# Altium PCB Evaluation Board.PcbDoc (part 4 of 22) (continued)
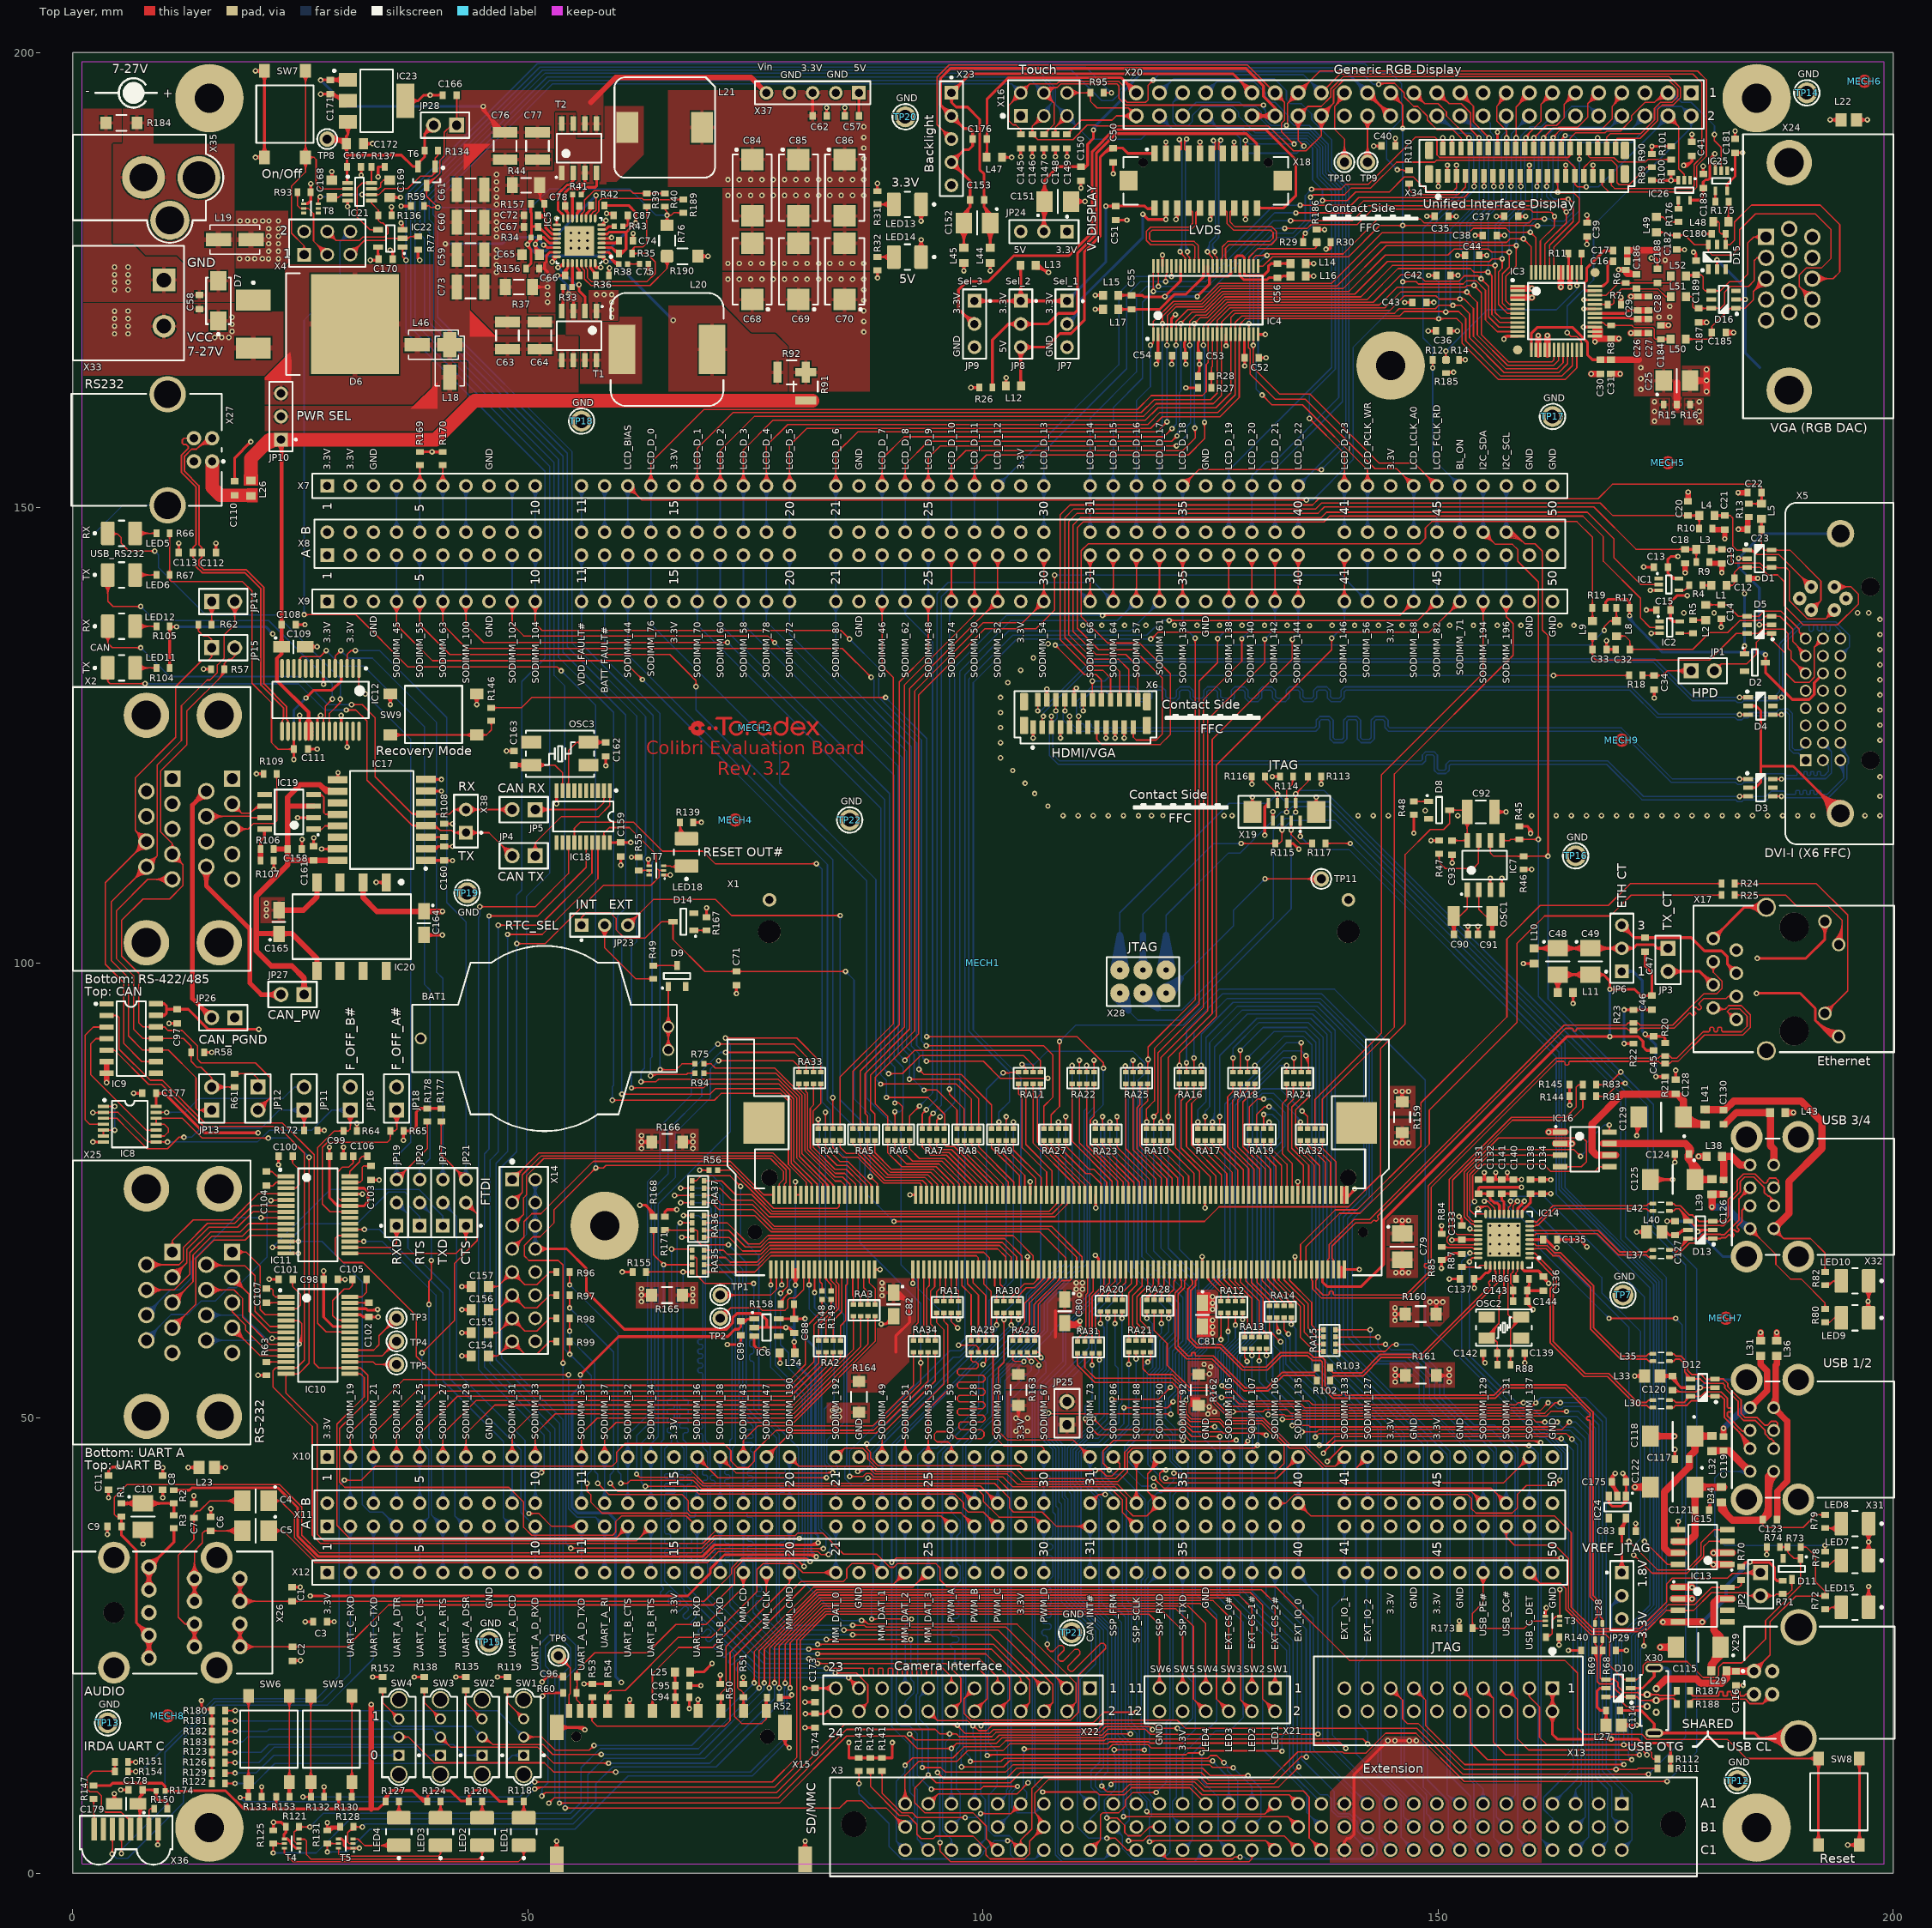
[diagram p0: Top Layer view]
## Nets (pads, with @x,y where several pads share a name; then routed paths per layer and width w, separated by ;. In a path a pad name is that pad's centre, name@x,y a point inside that pad or via, vN(x,y) a via of type N, cw(c..) or ccw(c..) an arc to the next point about the centre after c; other vN are vias at no path point) (continued)
  Bottom Layer w0.15: v1@94.837,11.208 ccw(c94.453,11.592) 94.996,11.592 ccw(c95.539,11.592) v1@95.155,11.208 ; v1(94.996,11.049) 94.996,46.075 100.029,51.108 100.029,54.629 105.35,59.95 105.35,63.3 109.08,67.03 v1(109.08,83.109) ; v1@108.921,82.95 cw(c108.537,82.566) 109.08,82.566 cw(c109.623,82.566) v1@109.239,82.95 ; v1@129.108,10.494 cw(c129.108,9.951) 129.492,10.335 cw(c129.876,10.719) v1@129.333,10.719 ; v1(129.108,10.719) 130.515,9.312 130.515,6.055 ; X3.B17@129.54,5.08 130.515,6.055 ; X3.B17@129.587,5.452 ccw(c129.661,6.042) 130.082,5.622 ccw(c130.502,5.201) X3.B17@129.912,5.127 ; X3.B17@129.606,5.601 ccw(c129.709,6.427) 130.298,5.838 ccw(c130.887,5.249) X3.B17@130.061,5.146 ; X3.B17@129.624,5.75 ccw(c129.758,6.812) 130.515,6.055 ; X3.B17@130.21,5.164 cw(c131.272,5.298) 130.515,6.055
ADDR_10: RA22.5 X3.C17 | length 134
  Top Layer w0.15: v2@95.116,3.194 cw(c94.732,2.81) 95.275,2.81 cw(c95.819,2.81) v2@95.434,3.194 ; v2(95.275,3.353) 95.275,2.406 96.416,1.265 100.589,1.265 100.601,1.253 129.218,1.253 129.54,1.575 ; RA22.5@109.655,88.114 ccw(c109.356,88.413) 109.779,88.413 ccw(c110.201,88.413) RA22.5@109.903,88.114 ; RA22.5@109.779,87.99 v1(109.779,88.722) ; X3.C17@129.308,1.906 cw(c129.187,1.575) 129.54,1.575 ; X3.C17@129.36,2.047 cw(c129.266,1.789) 129.54,1.789 cw(c129.814,1.789) X3.C17@129.72,2.047 ; X3.C17@129.54,2.54 129.54,1.575 ; X3.C17@129.772,1.906 ccw(c129.893,1.575) 129.54,1.575
  Bottom Layer w0.15: v2@95.116,3.512 ccw(c94.806,3.823) 95.245,3.823 ; 95.245,3.969 ccw(c95.892,3.969) v2@95.434,3.512 ; v2(95.275,3.353) 95.245,3.383 95.245,10.556 95.529,10.84 95.529,45.8 95.545,45.816 95.545,46.124 96.116,46.695 96.595,46.695 100.476,50.576 100.476,54.431 105.8,59.755 105.8,63.1 109.779,67.079 v1(109.779,88.722) ; v1@109.62,88.563 cw(c109.236,88.179) 109.779,88.179 cw(c110.322,88.179) v1@109.938,88.563
ADDR_11: RA22.6 X3.A18 | length 129.4
  Top Layer w0.15: v1(97.625,11.675) 102.25,11.675 102.9,12.325 v1(125.225,12.325) ; v1@97.784,11.516 cw(c98.168,11.132) 98.168,11.675 cw(c98.168,12.218) v1@97.784,11.834 ; v1@110.42,89.147 cw(c110.036,88.763) 110.579,88.763 cw(c111.122,88.763) v1@110.738,89.147 ; RA22.6@110.455,88.114 ccw(c110.156,88.413) 110.579,88.413 ccw(c111.001,88.413) RA22.6@110.703,88.114 ; RA22.6@110.579,87.99 v1(110.579,89.306) ; v1@125.066,12.166 ccw(c124.682,11.782) 124.682,12.325 ccw(c124.682,12.868) v1@125.066,12.484
  Bottom Layer w0.15: v1@97.466,11.834 ccw(c97.174,12.126) 97.587,12.126 ; 97.587,12.31 ccw(c98.26,12.31) v1@97.784,11.834 ; v1(97.625,11.675) 97.587,11.713 97.587,13.183 97.79,13.386 97.79,17.247 97.785,17.252 97.785,18.308 97.79,18.313 97.79,19.787 97.785,19.792 97.785,20.848 97.79,20.853 97.79,32.482 97.785,32.487 97.785,47.075 100.954,50.244 100.954,54.304 106.25,59.6 106.25,62.85 110.579,67.179 v1(110.579,89.306) ; v1@110.42,89.147 cw(c110.036,88.763) 110.579,88.763 cw(c111.122,88.763) v1@110.738,89.147 ; v1@125.225,12.1 cw(c125.225,11.677) 125.524,11.976 ; v1(125.225,12.325) 125.225,12.275 127,10.5 X3.A18@127,7.62 ; v1@125.45,12.325 ccw(c126.114,12.325) 125.644,11.856 ; X3.A18@126.523,8.097 ccw(c125.37,9.25) 127,9.25 ccw(c128.63,9.25) X3.A18@127.477,8.097 ; X3.A18@126.629,7.991 ccw(c125.733,8.887) 127,8.887 ccw(c128.267,8.887) X3.A18@127.371,7.991 ; X3.A18@126.735,7.885 ccw(c126.095,8.525) 127,8.525 ccw(c127.905,8.525) X3.A18@127.265,7.885
ADDR_12: RA22.7 X3.B18 | length 128.7
  Top Layer w0.15: v1(98.6,12.275) 101.975,12.275 102.325,12.625 124.683,12.625 124.983,12.925 125.683,12.925 v1(126.467,12.141) ; v1@98.759,12.116 cw(c99.143,11.732) 99.143,12.275 cw(c99.143,12.818) v1@98.759,12.434 ; RA22.7@111.255,88.114 ccw(c110.956,88.413) 111.379,88.413 ccw(c111.801,88.413) RA22.7@111.503,88.114 ; RA22.7@111.379,87.99 v1(111.379,88.722) ; v1@126.242,12.141 ccw(c125.698,12.141) 126.082,12.525 ccw(c126.467,12.909) v1@126.467,12.366
  Bottom Layer w0.15: v1@98.464,12.454 ccw(c98.256,12.728) 98.6,12.728 ; v1(98.6,12.275) 98.6,12.728 ; v1@98.736,12.454 cw(c98.944,12.728) 98.6,12.728 ; v1@111.22,88.563 cw(c110.836,88.179) 111.379,88.179 cw(c111.922,88.179) v1@111.538,88.563 ; v1(111.379,88.722) 111.379,84.027 111.125,83.774 111.125,67.15 106.733,62.758 106.733,59.65 105.033,57.95 101.437,54.356 101.437,50.202 98.085,46.85 98.085,32.611 98.09,32.606 98.09,20.729 98.085,20.724 98.085,19.916 98.09,19.911 98.09,18.189 98.085,18.184 98.085,17.376 98.158,17.303 98.158,13.17 98.6,12.728 ; v1(126.467,12.141) 126.848,11.76 ; v1@126.468,11.916 cw(c126.471,11.384) 126.848,11.76 ; v1@126.692,12.14 ccw(c127.224,12.137) 126.848,11.76 ; X3.B18@127,5.08 127.975,6.055 ; X3.B18@127.047,5.452 ccw(c127.121,6.042) 127.542,5.622 ccw(c127.962,5.201) X3.B18@127.372,5.127 ; X3.B18@127.066,5.601 ccw(c127.169,6.427) 127.758,5.838 ccw(c128.347,5.249) X3.B18@127.521,5.146 ; X3.B18@127.084,5.75 ccw(c127.218,6.812) 127.975,6.055 ; X3.B18@127.67,5.164 cw(c128.732,5.298) 127.975,6.055 ; 126.848,11.76 126.848,11.278 127.975,10.15 127.975,6.055
ADDR_13: RA22.8 X3.C18 | length 131.5
  Top Layer w0.15: v1@100.45,13.013 122.301,13.013 122.496,13.208 v1(124.028,13.208) ; v1@100.503,12.872 cw(c100.844,12.531) 100.844,13.013 ; v1@100.609,12.766 cw(c101.206,12.169) 101.206,13.013 ; v1@100.609,13.084 ccw(c100.78,13.255) 100.78,13.013 ; v1@112.02,89.147 cw(c111.636,88.763) 112.179,88.763 cw(c112.722,88.763) v1@112.338,89.147 ; RA22.8@112.055,88.114 ccw(c111.756,88.413) 112.179,88.413 ccw(c112.601,88.413) RA22.8@112.303,88.114 ; RA22.8@112.179,87.99 v1(112.179,89.306) ; v1@123.869,13.049 ccw(c123.485,12.665) 123.485,13.208 ccw(c123.485,13.751) v1@123.869,13.367
  Bottom Layer w0.15: 100.254,13.218 ccw(c100.743,13.218) v1@100.397,12.872 ; 100.254,13.58 ccw(c101.105,13.58) v1@100.503,12.978 ; 100.254,13.942 ccw(c101.467,13.942) v1@100.609,13.084 ; v1(100.45,12.925) 100.254,13.121 100.254,15.945 100.296,15.988 100.296,16.423 100.254,16.465 100.254,46.779 101.908,48.433 101.908,54.4 107.058,59.55 107.058,62.608 111.425,66.975 111.425,83.375 112.179,84.129 v1(112.179,89.306) ; v1@112.02,89.147 cw(c111.636,88.763) 112.179,88.763 cw(c112.722,88.763) v1@112.338,89.147 ; v1@123.869,13.049 cw(c123.485,12.665) 124.028,12.665 cw(c124.571,12.665) v1@124.187,13.049 ; v1(124.028,13.208) 124.028,10.16 125.832,8.357 125.832,3.683 ; 125.866,3.649 cw(c124.757,2.54) X3.C18@126.325,2.54 ; 126.082,3.433 ccw(c126.97,4.321) X3.C18@126.991,3.065 ; 126.122,3.393 cw(c125.269,2.54) X3.C18@126.475,2.54 ; 126.332,3.183 ccw(c126.979,3.829) X3.C18@126.994,2.915 ; 126.378,3.137 cw(c125.781,2.54) X3.C18@126.625,2.54 ; X3.C18@126.989,3.215 cw(c126.962,4.813) 125.832,3.683 ; X3.C18@127,2.54 126.975,2.54 125.832,3.683
ADDR_14: RA23.5 X3.A19 | length 100.2
  Top Layer w0.15: v2(106.553,8.915) 112.485,8.915 112.776,8.624 115.549,8.624 116.315,9.39 122.69,9.39 X3.A19@124.46,7.62 ; v2@106.712,8.756 cw(c107.096,8.372) 107.096,8.915 cw(c107.096,9.459) v2@106.712,9.074 ; RA23.5@112.195,81.916 ccw(c111.896,82.215) 112.319,82.215 ccw(c112.741,82.215) RA23.5@112.443,81.916 ; RA23.5@112.319,81.793 v1(112.319,82.525)
  Bottom Layer w0.15: v2@106.328,8.915 ccw(c105.785,8.915) 106.169,9.299 ccw(c106.553,9.684) v2@106.553,9.14 ; v2(106.553,8.915) 105.705,9.763 105.705,53.155 108.775,56.225 108.775,60.025 112.925,64.175 112.925,81.918 v1(112.319,82.525) ; v1@112.319,82.3 cw(c112.319,81.756) 112.703,82.14 cw(c113.087,82.525) v1@112.544,82.525
ADDR_15: RA23.6 X3.C19 | length 112.1
  Top Layer w0.15: v1@112.96,82.95 cw(c112.576,82.566) 113.119,82.566 cw(c113.662,82.566) v1@113.278,82.95 ; RA23.6@112.995,81.916 ccw(c112.696,82.215) 113.119,82.215 ccw(c113.541,82.215) RA23.6@113.243,81.916 ; RA23.6@113.119,81.793 v1(113.119,83.109)
  Bottom Layer w0.15: v1@112.963,82.946 cw(c112.613,82.581) 113.119,82.581 ; v1@113.025,83.015 v1(113.119,83.109) 113.119,82.581 ; v1@113.275,82.946 ccw(c113.625,82.581) 113.119,82.581 ; 123.29,1.344 ccw(c122.094,2.54) X3.C19@123.785,2.54 ; 123.351,1.406 cw(c124.46,0.297) X3.C19@124.46,1.865 ; 123.546,1.6 ccw(c122.606,2.54) X3.C19@123.935,2.54 ; 123.607,1.662 cw(c124.46,0.809) X3.C19@124.46,2.015 ; 123.802,1.856 ccw(c123.118,2.54) X3.C19@124.085,2.54 ; 123.863,1.918 cw(c124.46,1.321) X3.C19@124.46,2.165 ; X3.C19@124.46,2.54 124.46,2.515 123.21,1.265 108.692,1.265 107.945,2.012 107.945,32.482 107.955,32.492 107.955,39.38 107.655,39.68 107.655,46.528 106.075,48.108 106.075,52.9 109.075,55.9 109.075,59.875 113.35,64.15 113.35,82.35 113.119,82.581
ADDR_16: RA24.8 X3.A20 | length 98.5
  Top Layer w0.15: v1@135.316,89.641 cw(c134.268,88.593) 135.75,88.593 ; v1@135.422,89.747 cw(c134.63,88.955) 135.75,88.955 ; v1(135.475,89.8) 135.51,89.8 135.75,89.56 ; v1@135.528,89.853 cw(c134.992,89.317) 135.75,89.317 ; v1@135.566,89.594 cw(c135.633,89.444) 135.75,89.56 ; RA24.8@135.626,88.114 ccw(c135.328,88.413) 135.75,88.413 ccw(c136.172,88.413) RA24.8@135.874,88.114 ; v1@135.695,89.751 ccw(c135.896,89.706) 135.75,89.56 ; RA24.8@135.75,87.99 135.75,89.56
  Bottom Layer w0.15: X3.A20@121.92,7.62 121.92,13.02 125.675,16.775 125.675,28.367 123.3,30.742 123.3,51.47 123.304,51.474 123.304,52.158 123.3,52.162 123.3,56.649 124.275,57.624 124.275,63.753 127.125,66.603 127.125,84.45 133.023,90.348 134.963,90.348 135.475,89.835 v1(135.475,89.8) ; 135.066,90.245 cw(c134.621,89.8) v1@135.25,89.8 ; 135.151,90.159 ccw(c135.475,90.483) v1@135.475,90.025
ADDR_17: RA24.7 X3.B20 | length 104.8
  Top Layer w0.15: v1@134.791,91.078 cw(c134.407,90.694) 134.95,90.694 cw(c135.493,90.694) v1@135.109,91.078 ; RA24.7@134.826,88.114 ccw(c134.528,88.413) 134.95,88.413 ccw(c135.372,88.413) RA24.7@135.074,88.114 ; RA24.7@134.95,87.99 v1(134.95,91.237)
  Bottom Layer w0.15: X3.B20@121.245,5.105 ccw(c119.808,5.158) 120.825,6.175 ; X3.B20@121.395,5.099 ccw(c120.277,5.14) 121.068,5.932 ccw(c121.86,6.723) X3.B20@121.901,5.605 ; X3.B20@121.545,5.094 ccw(c120.747,5.123) 121.312,5.688 ccw(c121.877,6.253) X3.B20@121.906,5.455 ; X3.B20@121.895,5.755 cw(c121.842,7.192) 120.825,6.175 ; X3.B20@121.92,5.08 120.825,6.175 ; v1@134.791,91.078 ccw(c134.407,90.694) 134.407,91.237 ccw(c134.407,91.78) v1@134.791,91.396 ; v1(134.95,91.237) 133.32,91.237 127.41,85.326 126.575,84.491 126.575,66.477 123.975,63.877 123.975,57.749 123,56.774 123,52.037 123.004,52.033 123.004,51.599 123,51.595 123,22.161 123.312,21.849 123.312,15.792 121.245,13.725 121.245,8.324 120.945,8.024 120.825,7.904 120.825,6.175
ADDR_18: RA24.6 X3.C20 | length 107.1
  Top Layer w0.15: v1@133.991,89.401 cw(c133.607,89.017) 134.15,89.017 cw(c134.693,89.017) v1@134.309,89.401 ; RA24.6@134.026,88.114 ccw(c133.728,88.413) 134.15,88.413 ccw(c134.572,88.413) RA24.6@134.274,88.114 ; RA24.6@134.15,87.99 v1(134.15,89.56)
  Bottom Layer w0.15: X3.C20@121.92,2.54 122.987,3.607 ; X3.C20@121.941,2.914 ccw(c121.983,3.662) 122.513,3.133 ccw(c123.042,2.603) X3.C20@122.294,2.561 ; X3.C20@121.949,3.064 ccw(c122.008,4.111) 122.75,3.37 ccw(c123.491,2.628) X3.C20@122.444,2.569 ; X3.C20@121.958,3.214 ccw(c122.033,4.56) 122.987,3.607 ; X3.C20@122.594,2.578 cw(c123.94,2.653) 122.987,3.607 ; v1@133.991,89.401 ccw(c133.607,89.017) 133.607,89.56 ccw(c133.607,90.104) v1@133.991,89.719 ; v1(134.15,89.56) 132.917,89.56 127.696,84.34 127.696,66.75 124.575,63.629 124.575,57.5 123.6,56.525 123.6,52.286 123.604,52.282 123.604,51.35 123.6,51.346 123.6,48.383 125.725,46.258 125.725,30.426 128.565,27.587 128.565,17.376 128.575,17.366 128.575,17.1 127.126,15.651 125.551,15.651 122.987,13.087 122.987,3.607
ADDR_25: RA25.7 X3.B23 | length 106.7
  Top Layer w0.15: RA25.7@117.148,88.114 ccw(c116.849,88.413) 117.272,88.413 ccw(c117.694,88.413) RA25.7@117.395,88.114 ; RA25.7@117.272,87.99 v1(117.272,88.722)
  Bottom Layer w0.15: X3.B23@114.3,5.08 115.316,4.064 ; X3.B23@114.335,4.707 cw(c114.396,4.047) 114.864,4.516 cw(c115.333,4.984) X3.B23@114.673,5.045 ; X3.B23@114.349,4.557 cw(c114.435,3.634) 115.09,4.29 cw(c115.746,4.945) X3.B23@114.823,5.031 ; X3.B23@114.363,4.408 cw(c114.473,3.221) 115.316,4.064 ; X3.B23@114.972,5.017 ccw(c116.159,4.907) 115.316,4.064 ; v1@117.047,88.722 cw(c116.503,88.722) 116.887,88.338 cw(c117.272,87.954) v1@117.272,88.497 ; v1@117.229,88.722 v1(117.272,88.722) 116.575,88.026 116.575,66.516 121.229,61.861 121.229,59.029 120.125,57.925 120.125,55.373 119.625,54.873 119.625,49.525 120.816,48.334 120.816,45.446 120.858,45.403 121.78,44.481 121.78,42.405 120.848,41.473 120.848,16.917 120.525,16.594 120.525,2.306 119.784,1.565 116.436,1.565 115.316,2.685 115.316,4.064
ANALOG_IN0: X1.8 X14.1 | length 41.6
  Top Layer w0.15: X14.1@48.26,76.2 51.16,79.1 76.947,79.1 78.782,77.265 X1.8@78.782,74.516 ; X14.1@48.26,76.575 ccw(c48.26,77.48) 48.9,76.84 ccw(c49.54,76.2) X14.1@48.635,76.2 ; X14.1@48.26,76.725 ccw(c48.26,77.992) 49.156,77.096 ccw(c50.052,76.2) X14.1@48.785,76.2 ; X14.1@48.26,76.875 ccw(c48.26,78.505) 49.412,77.352 ccw(c50.565,76.2) X14.1@48.935,76.2 ; X1.8@78.711,75.412 ccw(c78.541,75.583) 78.782,75.583 ccw(c79.023,75.583) X1.8@78.853,75.412
ANALOG_IN1: X1.6 X14.3 | length 42.9
  Top Layer w0.15: X14.3@48.26,73.66 49.378,74.778 ; X14.3@48.268,74.035 ccw(c48.287,74.875) 48.881,74.281 ccw(c49.475,73.687) X14.3@48.635,73.668 ; X14.3@48.271,74.185 ccw(c48.297,75.361) 49.129,74.529 ccw(c49.961,73.697) X14.3@48.785,73.671 ; X14.3@48.275,74.335 ccw(c48.308,75.847) 49.378,74.778 ; X14.3@48.935,73.675 cw(c50.447,73.708) 49.378,74.778 ; X1.6@78.111,75.412 ccw(c77.941,75.583) 78.182,75.583 ccw(c78.423,75.583) X1.6@78.253,75.412 ; X1.6@78.182,74.516 78.182,75.723 78.354,75.895 78.354,77.269 76.823,78.8 51.475,78.8 49.378,76.703 49.378,74.778
ANALOG_IN2: X1.4 X14.5 | length 44.9
  Top Layer w0.15: X14.5@48.26,71.12 49.525,72.385 49.525,74.188 49.825,74.488 49.825,76.604 51.721,78.5 76.658,78.5 78.054,77.104 78.054,76.175 77.582,75.702 X1.4@77.582,74.516 ; X14.5@48.26,71.495 ccw(c48.26,72.4) 48.9,71.76 ccw(c49.54,71.12) X14.5@48.635,71.12 ; X14.5@48.26,71.645 ccw(c48.26,72.912) 49.156,72.016 ccw(c50.052,71.12) X14.5@48.785,71.12 ; X14.5@48.26,71.795 ccw(c48.26,73.425) 49.412,72.272 ccw(c50.565,71.12) X14.5@48.935,71.12 ; X1.4@77.511,75.412 ccw(c77.341,75.583) 77.582,75.583 ccw(c77.823,75.583) X1.4@77.653,75.412
ANALOG_IN3: R95.1 X1.2 X14.7 | length 257.9
  Top Layer w0.15: X14.7@48.26,68.58 49.55,69.87 49.55,71.575 50.425,72.45 51.425,72.45 57.175,78.2 72.23,78.2 75.913,74.516 X1.2@76.982,74.516 ; X14.7@48.26,68.955 ccw(c48.26,69.86) 48.9,69.22 ccw(c49.54,68.58) X14.7@48.635,68.58 ; X14.7@48.26,69.105 ccw(c48.26,70.372) 49.156,69.476 ccw(c50.052,68.58) X14.7@48.785,68.58 ; X14.7@48.26,69.255 ccw(c48.26,70.885) 49.412,69.732 ccw(c50.565,68.58) X14.7@48.935,68.58 ; X1.2@76.911,74.446 ccw(c76.741,74.275) 76.741,74.516 ccw(c76.741,74.758) X1.2@76.911,74.587 ; R95.1@113.247,195.58 v1(114.097,195.58) ; R95.1@113.424,195.403 cw(c113.851,194.976) 113.851,195.58 cw(c113.851,196.184) R95.1@113.424,195.757
  Bottom Layer w0.15: X14.7@48.26,68.58 49.825,70.145 49.825,107.285 52.4,109.86 52.4,154.525 37.125,169.8 37.125,184.225 51.3,198.4 111.277,198.4 v1(114.097,195.58) ; X14.7@48.26,68.955 ccw(c48.26,69.86) 48.9,69.22 ccw(c49.54,68.58) X14.7@48.635,68.58 ; X14.7@48.26,69.105 ccw(c48.26,70.372) 49.156,69.476 ccw(c50.052,68.58) X14.7@48.785,68.58 ; X14.7@48.26,69.255 ccw(c48.26,70.885) 49.412,69.732 ccw(c50.565,68.58) X14.7@48.935,68.58 ; v1@113.872,195.58 ccw(c113.329,195.58) 113.713,195.964 ccw(c114.097,196.348) v1@114.097,195.805
ANALOG_OUT_A: C154.2 R99.2 X14.15 | length 24.7
  Top Layer w0.15: C154.2@45.664,56.82 46.66,56.82 ; C154.2@45.863,56.63 cw(c46.308,56.203) 46.308,56.82 cw(c46.308,57.437) C154.2@45.863,57.01 ; C154.2@45.971,56.526 cw(c46.66,55.866) 46.66,56.82 ; C154.2@45.971,57.114 ccw(c46.66,57.773) 46.66,56.82 ; X14.15@47.585,58.42 cw(c45.955,58.42) 47.108,57.268 cw(c48.26,56.115) 48.26,57.745 cw(c48.26,56.115) 49.412,57.268 cw(c50.565,58.42) X14.15@48.935,58.42 ; X14.15@47.735,58.42 cw(c46.468,58.42) 47.364,57.524 cw(c48.26,56.628) 48.26,57.895 cw(c48.26,56.628) 49.156,57.524 cw(c50.052,58.42) X14.15@48.785,58.42 ; X14.15@47.885,58.42 cw(c46.98,58.42) 47.62,57.78 cw(c48.26,57.14) 48.26,58.045 cw(c48.26,57.14) 48.9,57.78 cw(c49.54,58.42) X14.15@48.635,58.42 ; R99.2@52.946,58.243 ccw(c52.519,57.816) 52.519,58.42 ccw(c52.519,59.024) R99.2@52.946,58.597 ; R99.2@53.123,58.42 52.375,58.42 50.978,57.023 49.657,57.023 X14.15@48.26,58.42 46.66,56.82
ANALOG_OUT_B: C155.2 R98.2 X14.13 | length 24.7
  Top Layer w0.15: C155.2@45.664,59.36 46.66,59.36 ; C155.2@45.863,59.17 cw(c46.308,58.743) 46.308,59.36 cw(c46.308,59.977) C155.2@45.863,59.55 ; C155.2@45.971,59.066 cw(c46.66,58.406) 46.66,59.36 ; C155.2@45.971,59.654 ccw(c46.66,60.313) 46.66,59.36 ; X14.13@47.585,60.96 cw(c45.955,60.96) 47.108,59.808 cw(c48.26,58.655) 48.26,60.285 cw(c48.26,58.655) 49.412,59.808 cw(c50.565,60.96) X14.13@48.935,60.96 ; X14.13@47.735,60.96 cw(c46.468,60.96) 47.364,60.064 cw(c48.26,59.168) 48.26,60.435 cw(c48.26,59.168) 49.156,60.064 cw(c50.052,60.96) X14.13@48.785,60.96 ; X14.13@47.885,60.96 cw(c46.98,60.96) 47.62,60.32 cw(c48.26,59.68) 48.26,60.585 cw(c48.26,59.68) 48.9,60.32 cw(c49.54,60.96) X14.13@48.635,60.96 ; R98.2@52.946,60.783 ccw(c52.519,60.356) 52.519,60.96 ccw(c52.519,61.564) R98.2@52.946,61.137 ; R98.2@53.123,60.96 52.375,60.96 50.978,59.563 49.657,59.563 X14.13@48.26,60.96 46.66,59.36
ANALOG_OUT_C: C156.2 R97.2 X14.11 | length 24.7
  Top Layer w0.15: C156.2@45.664,61.9 46.66,61.9 ; C156.2@45.863,61.71 cw(c46.308,61.283) 46.308,61.9 cw(c46.308,62.517) C156.2@45.863,62.09 ; C156.2@45.971,61.606 cw(c46.66,60.946) 46.66,61.9 ; C156.2@45.971,62.194 ccw(c46.66,62.853) 46.66,61.9 ; X14.11@47.585,63.5 cw(c45.955,63.5) 47.108,62.348 cw(c48.26,61.195) 48.26,62.825 cw(c48.26,61.195) 49.412,62.348 cw(c50.565,63.5) X14.11@48.935,63.5 ; X14.11@47.735,63.5 cw(c46.468,63.5) 47.364,62.604 cw(c48.26,61.708) 48.26,62.975 cw(c48.26,61.708) 49.156,62.604 cw(c50.052,63.5) X14.11@48.785,63.5 ; X14.11@47.885,63.5 cw(c46.98,63.5) 47.62,62.86 cw(c48.26,62.22) 48.26,63.125 cw(c48.26,62.22) 48.9,62.86 cw(c49.54,63.5) X14.11@48.635,63.5 ; R97.2@52.946,63.323 ccw(c52.519,62.896) 52.519,63.5 ccw(c52.519,64.104) R97.2@52.946,63.677 ; R97.2@53.123,63.5 52.375,63.5 50.978,62.103 49.657,62.103 X14.11@48.26,63.5 46.66,61.9
ANALOG_OUT_D: C157.2 R96.2 X14.9 | length 24.7
  Top Layer w0.15: C157.2@45.664,64.44 46.66,64.44 ; C157.2@45.863,64.25 cw(c46.308,63.823) 46.308,64.44 cw(c46.308,65.057) C157.2@45.863,64.63 ; C157.2@45.971,64.146 cw(c46.66,63.486) 46.66,64.44 ; C157.2@45.971,64.734 ccw(c46.66,65.393) 46.66,64.44 ; X14.9@47.585,66.04 cw(c45.955,66.04) 47.108,64.888 cw(c48.26,63.735) 48.26,65.365 cw(c48.26,63.735) 49.412,64.888 cw(c50.565,66.04) X14.9@48.935,66.04 ; X14.9@47.735,66.04 cw(c46.468,66.04) 47.364,65.144 cw(c48.26,64.248) 48.26,65.515 cw(c48.26,64.248) 49.156,65.144 cw(c50.052,66.04) X14.9@48.785,66.04 ; X14.9@47.885,66.04 cw(c46.98,66.04) 47.62,65.4 cw(c48.26,64.76) 48.26,65.665 cw(c48.26,64.76) 48.9,65.4 cw(c49.54,66.04) X14.9@48.635,66.04 ; R96.2@52.946,65.863 ccw(c52.519,65.436) 52.519,66.04 ccw(c52.519,66.644) R96.2@52.946,66.217 ; R96.2@53.123,66.04 52.375,66.04 50.978,64.643 49.657,64.643 X14.9@48.26,66.04 46.66,64.44
AUDIO_AGND: C1.1 C2.1 C3.2 C6.1 C7.1 C8.2 C9.1 C10.2 C11.1 C88.1 IC6.2 L24.1 X1.9 X1.11 X14.2 X14.4 X14.6 X14.8 X26.1 | length 186.9
  Top Layer w0.3: C9.1@3.643,37.884 cw(c3.301,37.542) 3.784,37.542 cw(c4.267,37.542) C9.1@3.925,37.884 ; C11.1@3.769,41.978 cw(c3.427,41.636) 3.91,41.636 cw(c4.393,41.636) C11.1@4.051,41.978 ; v1(3.784,37.224) C9.1@3.784,38.1 ; v1@3.804,41.349 ccw(c3.548,41.605) 3.91,41.605 ccw(c4.272,41.605) v1@4.016,41.349 ; v1(3.91,41.243) C11.1@3.91,42.119 ; C10.2@7.227,37.14 cw(c6.427,36.151) v1(7.699,36.151) ; C10.2@7.416,37.373 cw(c6.936,36.78) 7.699,36.78 cw(c8.462,36.78) C10.2@7.982,37.373 ; v1@7.593,36.257 ccw(c7.337,36.513) 7.699,36.513 ccw(c8.061,36.513) v1@7.805,36.257 ; C10.2@7.699,37.723 v1(7.699,36.151) ; C10.2@8.171,37.14 ccw(c8.971,36.151) v1(7.699,36.151) ; C8.2@9.727,41.978 cw(c9.385,41.637) 9.868,41.637 cw(c10.351,41.637) C8.2@10.009,41.978 ; v1@9.762,41.35 ccw(c9.506,41.606) 9.868,41.606 ccw(c10.23,41.606) v1@9.974,41.35 ; v1(9.868,41.244) C8.2@9.868,42.12 ; C7.1@13.15,40.722 ccw(c12.808,41.064) 13.291,41.064 ccw(c13.774,41.064) C7.1@13.432,40.722 ; v1@13.185,41.351 cw(c12.929,41.095) 13.291,41.095 cw(c13.653,41.095) v1@13.397,41.351 ; C7.1@13.291,40.581 v1(13.291,41.457) ; C6.1@15.009,39.297 ccw(c14.667,39.639) 15.15,39.639 ccw(c15.633,39.639) C6.1@15.291,39.297 ; v1@15.044,39.926 cw(c14.788,39.67) 15.15,39.67 cw(c15.512,39.67) v1@15.256,39.926 ; C6.1@15.15,39.156 v1(15.15,40.032) ; C1.1@24.1,31.425 v1(24.976,31.425) ; C2.1@24.13,23.355 v1(25.006,23.355) ; C1.1@24.316,31.283 cw(c24.658,30.942) 24.658,31.425 cw(c24.658,31.908) C1.1@24.316,31.566 ; C2.1@24.346,23.183 cw(c24.761,22.769) v1@24.761,23.355 ; C2.1@24.346,23.466 ccw(c24.615,23.734) 24.615,23.355 ; v1(25.517,27.619) C3.2@26.393,27.619 ; v1@25.623,27.513 cw(c25.879,27.257) 25.879,27.619 cw(c25.879,27.982) v1@25.623,27.725 ; v1(26.075,30.45) 67.535,30.45 70.028,32.943 70.028,33.413 71.59,34.975 81.45,34.975 ; v1@26.181,30.344 cw(c26.437,30.088) 26.437,30.45 cw(c26.437,30.812) v1@26.181,30.556 ; C3.2@26.251,27.478 ccw(c25.91,27.137) 25.91,27.619 ccw(c25.91,28.102) C3.2@26.251,27.761 ; X14.8@50.8,68.58 54.245,68.58 56.4,66.425 56.4,63.926 60.576,59.75 71.8,59.75 72.475,60.425 72.475,61 72.969,61.494 75.524,61.494 76.225,60.793 76.225,59.944 ; X14.8@51.224,68.156 cw(c52.249,67.131) 52.249,68.58 cw(c52.249,70.029) X14.8@51.224,69.004 ; IC6.2@74.8,59.994 IC6.2@74.85,59.944 76.225,59.944 ; IC6.2@75.206,59.838 cw(c75.462,59.582) 75.462,59.944 cw(c75.462,60.306) IC6.2@75.206,60.05 ; v1@78.228,59.838 ccw(c77.971,59.582) 77.971,59.944 ccw(c77.971,60.306) v1@78.228,60.05 ; v1@78.45,59.85 cw(c78.648,59.69) 78.648,59.944 ; v1@78.45,60.038 ccw(c78.648,60.198) 78.648,59.944 ; 78.779,59.813 cw(c78.309,59.344) C88.1@78.973,59.344 ; C88.1@78.96,59.632 ccw(c79.173,59.846) C88.1@79.173,59.544 ; X1.9@79.064,65.474 cw(c78.314,64.724) v1@79.375,64.724 ; X1.9@79.082,66.316 X1.11@79.682,66.316 ; L24.1@79.124,57.417 ccw(c78.826,57.715) 79.248,57.715 ; v1@79.142,58.263 cw(c78.886,58.007) 79.248,58.007 cw(c79.61,58.007) v1@79.354,58.263 ; L24.1@79.248,57.188 v1(79.248,58.369) ; v1@79.248,58.091 ccw(c80.202,58.091) L24.1@79.528,57.417 ; C88.1@79.248,59.344 78.648,59.944 ; v1@79.269,64.698 ccw(c79.013,64.954) 79.375,64.954 ccw(c79.737,64.954) v1@79.481,64.698 ; v1(79.375,64.592) 79.375,66.316 ; v1@79.375,64.69 cw(c80.483,64.69) X1.11@79.7,65.474 ; 80.77,34.975 cw(c80.77,33.845) v1@81.569,34.644 ; v1@81.526,34.764 ccw(c81.264,34.789) 81.45,34.975 ; v1@81.661,34.899 cw(c81.636,35.161) 81.45,34.975 ; v1(81.675,34.75) 81.45,34.975 ; 76.225,59.944 v1(78.334,59.944) 78.648,59.944
  Bottom Layer w0.3: X14.8@50.376,69.004 ccw(c49.351,70.029) 50.8,70.029 ccw(c52.249,70.029) X14.8@51.224,69.004 ; X14.6@50.376,70.696 cw(c49.351,69.671) 50.8,69.671 cw(c52.249,69.671) X14.6@51.224,70.696 ; X14.6@50.376,71.544 ccw(c49.351,72.569) 50.8,72.569 ccw(c52.249,72.569) X14.6@51.224,71.544 ; X14.4@50.376,73.236 cw(c49.351,72.211) 50.8,72.211 cw(c52.249,72.211) X14.4@51.224,73.236 ; X14.4@50.376,74.084 ccw(c49.351,75.109) 50.8,75.109 ccw(c52.249,75.109) X14.4@51.224,74.084 ; X14.2@50.376,75.776 cw(c49.351,74.751) 50.8,74.751 cw(c52.249,74.751) X14.2@51.224,75.776 ; X14.8@50.8,68.58 X14.6@50.8,71.12 X14.4@50.8,73.66 X14.2@50.8,76.2 ; v1(78.334,59.944) 79.248,59.944 ; v1@78.44,59.838 cw(c78.696,59.582) 78.696,59.944 cw(c78.696,60.306) v1@78.44,60.05 ; v1@79.142,58.263 cw(c78.886,58.007) 79.248,58.007 cw(c79.61,58.007) v1@79.354,58.263 ; v1@79.142,58.475 ccw(c78.886,58.731) 79.248,58.731 ccw(c79.61,58.731) v1@79.354,58.475 ; v1@79.269,64.486 cw(c79.013,64.23) 79.375,64.23 cw(c79.737,64.23) v1@79.481,64.486 ; v1(79.375,64.592) 79.375,63.475 79.248,63.348 79.248,59.944 ; v1@81.525,34.75 ccw(c81.163,34.75) 81.419,35.006 ccw(c81.675,35.262) v1@81.675,34.9 ; v1(81.675,34.75) 81.12,35.305 81.12,43.055 81.12,54.262 79.248,56.134 v1(79.248,58.369) 79.248,59.944
AUDIO_AVCC: C88.2 IC6.5 R2.2 R158.1 | length 113.9
  Top Layer w0.3: R2.2@11.093,42.073 12.798,42.073 13.051,42.326 22.537,42.326 24.7,40.163 24.7,37.045 26.945,34.8 69.2,34.8 70.45,36.05 81.625,36.05 ; R2.2@11.317,41.949 cw(c11.616,41.65) 11.616,42.073 cw(c11.616,42.495) R2.2@11.317,42.197 ; IC6.5@77.55,60.894 C88.2@79.248,60.894 ; IC6.5@77.906,60.788 cw(c78.162,60.532) 78.162,60.894 cw(c78.162,61.256) IC6.5@77.906,61 ; C88.2@79.032,60.753 ccw(c78.69,60.411) 78.69,60.894 ccw(c78.69,61.377) C88.2@79.032,61.035 ; R158.1@79.087,62.26 cw(c78.789,61.962) 79.211,61.962 cw(c79.634,61.962) R158.1@79.335,62.26 ; C88.2@79.107,61.035 ccw(c78.854,61.288) 79.211,61.288 ; 79.211,61.466 ccw(c79.82,61.466) C88.2@79.389,61.035 ; R158.1@79.211,62.484 79.211,60.931 C88.2@79.248,60.894 ; C88.2@79.464,60.753 cw(c79.806,60.411) 79.806,60.894 cw(c79.806,61.377) C88.2@79.464,61.035 ; 80.043,60.894 ccw(c80.043,61.308) v1@80.336,61.015 ; 80.116,60.894 cw(c80.116,60.584) v1@80.336,60.803 ; v1(80.442,60.909) 80.427,60.894 C88.2@79.248,60.894 ; 80.909,36.05 ccw(c80.909,37.266) v1@81.769,36.406 ; 81.634,36.05 ccw(c81.634,36.541) v1@81.981,36.194 ; v1@81.725,36.297 cw(c81.383,36.292) 81.625,36.05 ; v1@81.872,36.15 ccw(c81.867,35.808) 81.625,36.05 ; v1(81.875,36.3) 81.625,36.05
  Bottom Layer w0.3: v1@80.336,60.803 cw(c80.08,60.547) 80.442,60.547 cw(c80.804,60.547) v1@80.548,60.803 ; v1(80.442,60.909) 80.442,58.826 81.57,57.698 81.57,37.355 81.875,37.05 v1(81.875,36.3) ; v1@81.769,36.406 ccw(c81.513,36.662) 81.875,36.662 ccw(c82.237,36.662) v1@81.981,36.406
BATT_FAULT#: R75.2 X8.A12 X9.12 | length 83.5
  Top Layer w0.15: v1(64.516,88.274) 66.299,88.274 66.925,88.9 R75.2@68.354,88.9 ; v1@64.675,88.115 cw(c65.059,87.731) 65.059,88.274 cw(c65.059,88.817) v1@64.675,88.433 ; R75.2@68.206,88.752 ccw(c67.847,88.393) 67.847,88.9 ccw(c67.847,89.407) R75.2@68.206,89.048
  Bottom Layer w0.15: X9.12@57.943,139.223 cw(c56.79,138.07) 58.42,138.07 cw(c60.05,138.07) X9.12@58.897,139.223 ; X9.12@57.943,140.177 ccw(c56.79,141.33) 58.42,141.33 ccw(c60.05,141.33) X9.12@58.897,140.177 ; X8.A12@57.943,144.303 cw(c56.79,143.15) 58.42,143.15 cw(c60.05,143.15) X8.A12@58.897,144.303 ; X9.12@58.049,139.329 cw(c57.153,138.433) 58.42,138.433 cw(c59.687,138.433) X9.12@58.791,139.329 ; X9.12@58.049,140.071 ccw(c57.153,140.967) 58.42,140.967 ccw(c59.687,140.967) X9.12@58.791,140.071 ; X8.A12@58.049,144.409 cw(c57.153,143.513) 58.42,143.513 cw(c59.687,143.513) X8.A12@58.791,144.409 ; X9.12@58.155,139.435 cw(c57.515,138.795) 58.42,138.795 cw(c59.325,138.795) X9.12@58.685,139.435 ; X9.12@58.155,139.965 ccw(c57.515,140.605) 58.42,140.605 ccw(c59.325,140.605) X9.12@58.685,139.965 ; X8.A12@58.155,144.515 cw(c57.515,143.875) 58.42,143.875 cw(c59.325,143.875) X8.A12@58.685,144.515 ; X8.A12@58.42,144.78 X9.12@58.42,139.7 58.42,133.48 64.516,127.384 v1(64.516,88.274) ; v1@64.357,88.433 ccw(c63.973,88.817) 64.516,88.817 ccw(c65.059,88.817) v1@64.675,88.433